# KiCad board main.kicad_pcb (continued)
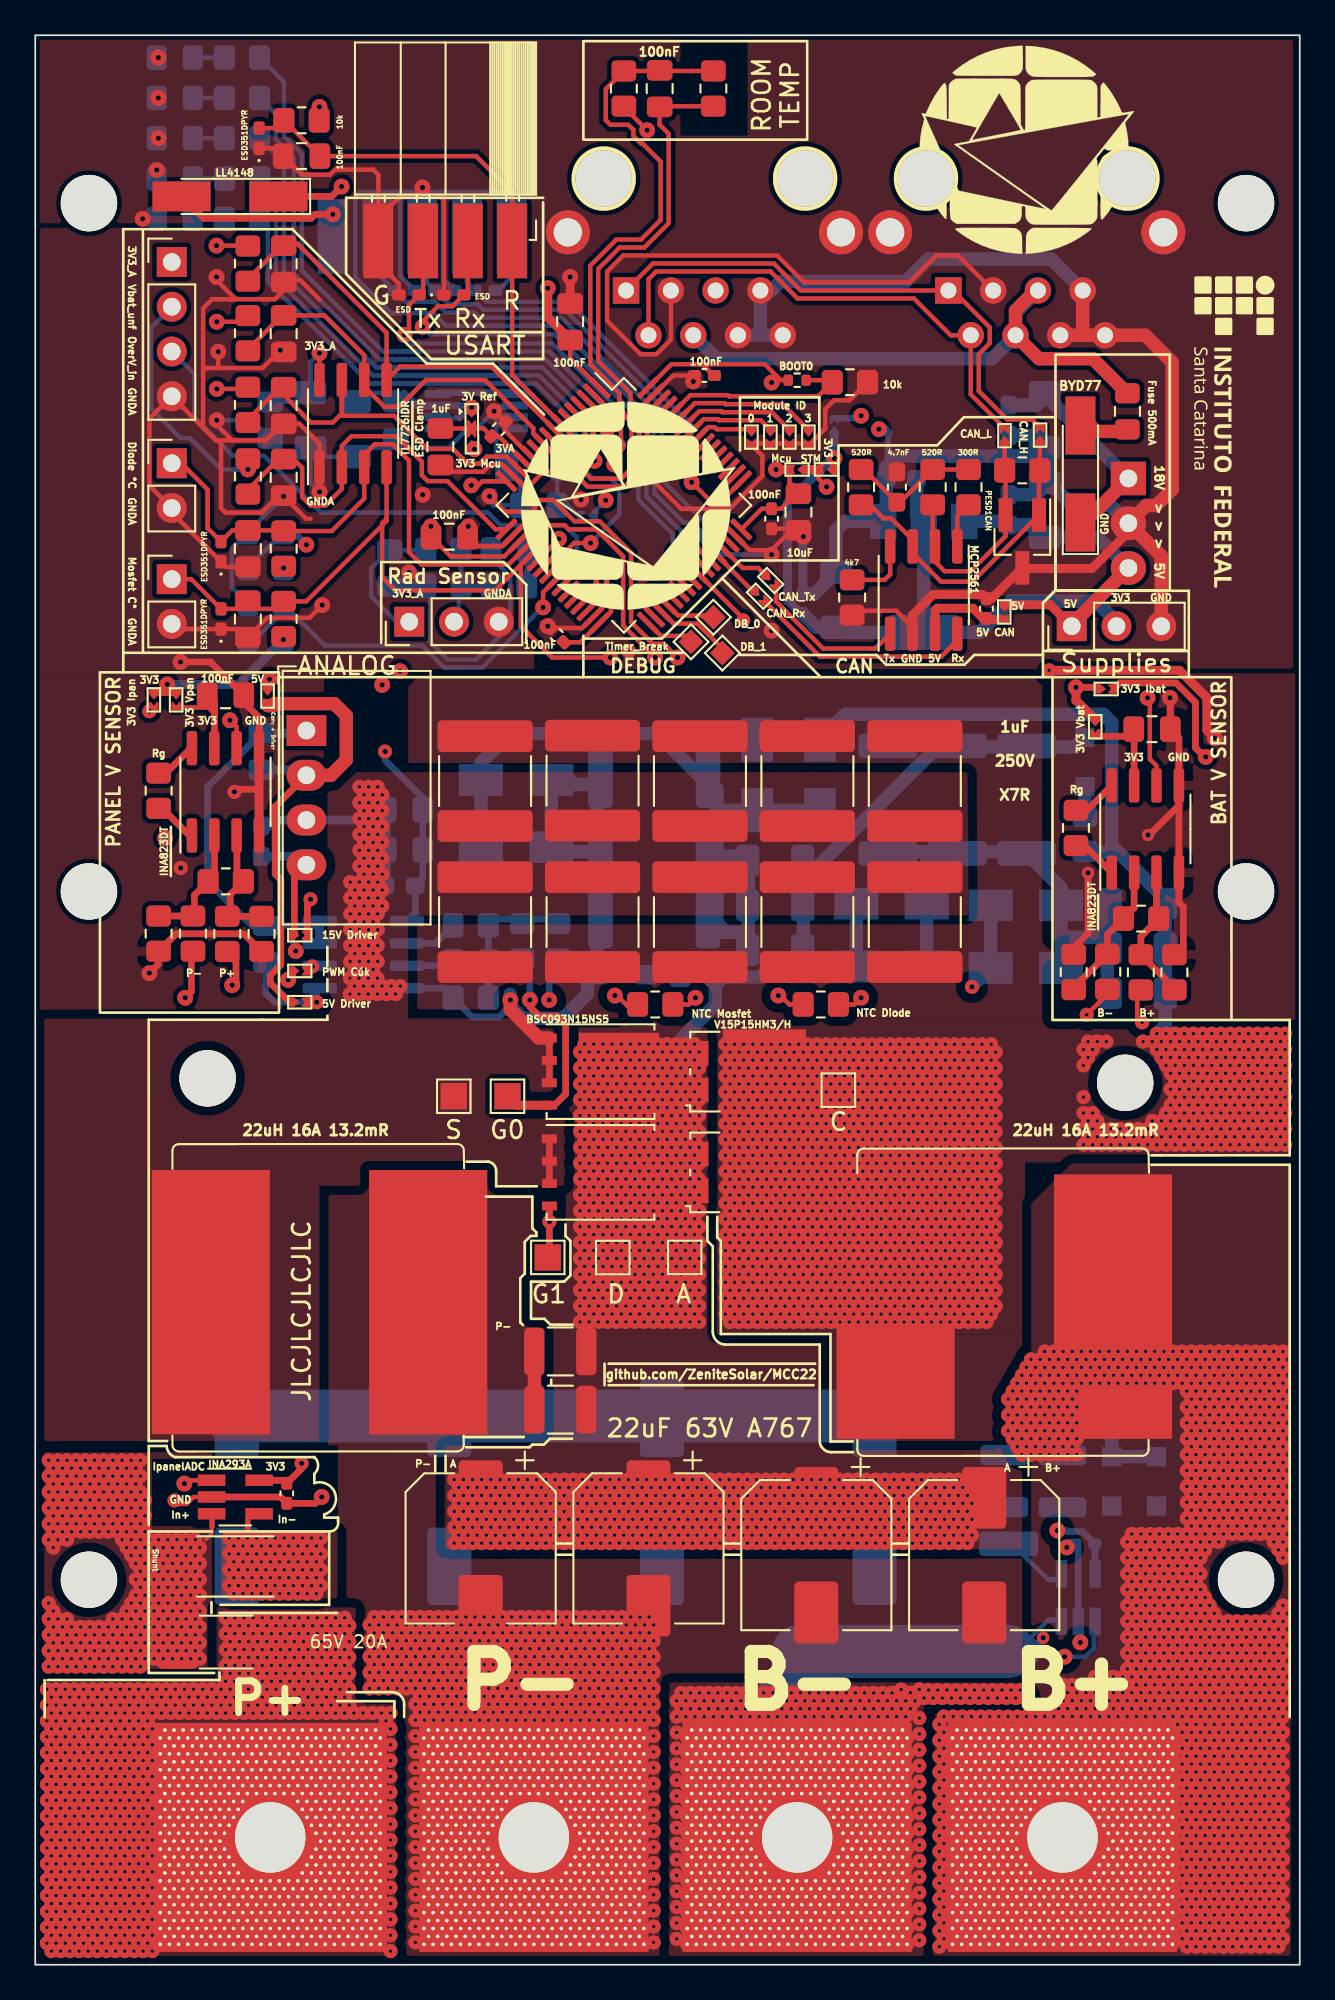
[diagram p0: board, top side]
## Routing (per net, layer and track width the routed paths; a pad name or vN(x,y) marks a point on that pad's centre or on a via; arc(x,y) is an arc through that point) (continued)
/Cuk/driver/OUT_G: length 8.3
  Bottom w0.381: 29.41,59.33 25.71,59.33 25.71,56.81 ; R401.2 R502.2
/Cuk/G0: length 12
  Top w0.381: v1(28.07,54.74) 28.07,54.36 28.6,53.82 29.62,53.82 30.1,53.34 30.1,49.4 29.46,48.77 Q401.1
  Top w0.508: 27.3,48.77 Q401.1
  Bottom w0.381: 28.07,55.06 28.07,56.63 R405.2
/Cuk/G1: length 17.9
  Top w0.381: 29.18,40.23 v3(29.18,42.16) Q402.1
  In1.Cu w0.381: v3(29.18,42.16) 29.17,42.17 v1(29.17,54.74)
  Bottom w0.381: 29.66,57.08 29.66,56.21 29.17,55.71 v1(29.17,54.74)
/Cuk/PWM_IN: length 0.7
  Top w0.254: 15.47,56.39 15.47,56.39
  Top w0.381: JP106.2 15.7,56.64 v3(15.72,56.64) 15.47,56.39
/Cuk/S: length 99.2
  Top w0.381: Q402.3 Q402.3 ; Q401.3 Q401.3
  Top w0.762: Q401.3 28.58,52.58 26.96,54.19 v1(26.96,54.74)
  In1.Cu w0.762: v1(26.96,54.74) 26.96,56.04 27.3,56.39 52.25,56.39 v3(53.15,55.48)
  Bottom w0.381: U501.8 23.17,55.41 24.8,53.77 26.32,53.77 26.95,54.4 26.95,55.06 ; 19.92,61.45 C504.1
  Bottom w0.508: 19.92,61.29 C504.1 19.33,64.95 PS501.3 13.82,64.95 13.49,64.62 C501.1 ; C506.1 19.84,60.86 18.92,59.94 18.92,56.13 19.65,55.41 U501.8
  Bottom w0.762: 32.07,63.16 29.54,63.16 ; D405.2 31.88,66.77 ; 32.07,66.97 30.56,66.97 30.3,67.22 D402.1 D401.1 ; D411.2 D410.2 53.15,55.49 v3(53.15,55.48) ; 31.34,55.79 31.34,55.09 29.96,53.71 27.64,53.71 26.95,54.39 26.95,55.06
  vias: v2(17.87,61.43) v2(17.87,60.53) v2(17.87,59.62) v2(17.87,58.72) v2(17.87,57.82) v2(17.87,56.92) v2(17.85,55.97) v2(17.85,55.07) v2(18.11,55.52) v2(18.13,60.98) v2(18.13,60.07) v2(18.13,59.17) v2(18.13,58.27) v2(18.13,57.37) v2(18.13,56.47) v2(18.39,66.83) v2(18.39,65.93) v2(18.39,65.03) v2(18.39,64.13) v2(18.39,63.23) v2(18.39,62.33) v2(18.39,61.43) v2(18.39,60.53) v2(18.39,59.62) v2(18.39,58.72) v2(18.39,57.82) v2(18.39,56.92) v2(18.37,55.97) v2(18.37,55.07) v2(18.65,66.38) v2(18.65,65.48) v2(18.65,64.58) v2(18.65,63.68) v2(18.65,62.78) v2(18.65,61.88) v2(18.65,60.98) v2(18.65,60.07) v2(18.65,59.17) v2(18.65,58.27) v2(18.65,57.37) v2(18.65,56.47) v2(18.63,55.52) v2(18.91,66.83) v2(18.91,65.93) v2(18.91,65.03) v2(18.91,64.13) v2(18.91,63.23) v2(18.91,62.33) v2(18.91,61.43) v2(18.91,60.53) v2(18.91,59.62) v2(18.91,58.72) v2(18.91,57.82) v2(18.91,56.92) v2(18.89,55.97) v2(18.89,55.07) v2(19.17,66.38) v2(19.17,65.48) v2(19.17,64.58) v2(19.17,63.68) v2(19.17,62.78) v2(19.17,61.88) v2(19.17,60.98) v2(19.17,60.07) v2(19.17,59.17) v2(19.17,58.27) v2(19.17,57.37) v2(19.17,56.47) v2(19.15,55.52) v2(19.41,55.97) v2(19.41,55.07) v2(19.43,66.83) v2(19.43,65.93) v2(19.43,65.03) v2(19.43,64.13) v2(19.43,63.23) v2(19.43,62.33) v2(19.43,61.43) v2(19.43,60.53) v2(19.43,59.62) v2(19.43,58.72) v2(19.43,57.82) v2(19.43,56.92) v2(19.69,66.38) v2(19.69,65.48) v2(19.69,64.58) v2(19.69,63.68) v2(19.69,62.78) v2(19.69,61.88) v2(19.69,60.98) v2(19.69,60.07) v2(19.67,55.52) v2(19.93,55.07) v2(20.19,55.52) v2(20.45,55.07) v2(20.71,55.52)
/P+: length 37.8
  Top w0.2: NT101.2 10.03,24.48 9.67,24.12
  Top w0.381: v1(11.18,55.58) 11.39,55.79 11.39,57.12
  In1.Cu w0.381: 9.67,24.12 9.8,24.12 10.68,25 12.05,25 13.74,26.7 13.74,29.02 13.95,29.23 13.95,51.84 11.18,54.62 v1(11.18,55.58)
  vias: v2(0.76,28.62) v2(0.76,27.72) v2(0.76,26.82) v2(0.76,25.92) v2(0.76,25.02) v2(0.76,24.12) v2(0.76,20.52) v2(0.76,19.62) v2(0.76,18.72) v2(0.76,17.81) v2(0.76,16.91) v2(1.02,28.17) v2(1.02,27.27) v2(1.02,26.37) v2(1.02,25.47) v2(1.02,24.57) v2(1.02,23.67) v2(1.02,20.07) v2(1.02,19.17) v2(1.02,18.26) v2(1.02,17.36) v2(1.28,28.62) v2(1.28,27.72) v2(1.28,26.82) v2(1.28,25.92) v2(1.28,25.02) v2(1.28,24.12) v2(1.28,19.62) v2(1.28,18.72) v2(1.28,17.81) v2(1.28,16.91) v2(1.54,28.17) v2(1.54,27.27) v2(1.54,26.37) v2(1.54,25.47) v2(1.54,24.57) v2(1.54,19.17) v2(1.54,18.26) v2(1.54,17.36) v2(1.8,28.62) v2(1.8,27.72) v2(1.8,26.82) v2(1.8,25.92) v2(1.8,25.02) v2(1.8,24.12) v2(1.8,19.62) v2(1.8,18.72) v2(1.8,17.81) v2(1.8,16.91) v2(2.06,28.17) v2(2.06,27.27) v2(2.06,26.37) v2(2.06,25.47) v2(2.06,24.57) v2(2.06,19.17) v2(2.06,18.26) v2(2.06,17.36) v2(2.32,28.62) v2(2.32,27.72) v2(2.32,26.82) v2(2.32,25.92) v2(2.32,25.02) v2(2.32,18.72) v2(2.32,17.81) v2(2.32,16.91) v2(2.58,28.17) v2(2.58,27.27) v2(2.58,26.37) v2(2.58,25.47) v2(2.58,24.57) v2(2.58,19.17) v2(2.58,18.26) v2(2.58,17.36) v2(2.84,28.62) v2(2.84,27.72) v2(2.84,26.82) v2(2.84,25.92) v2(2.84,25.02) v2(2.84,18.72) v2(2.84,17.81) v2(2.84,16.91) v2(3.1,28.17) v2(3.1,27.27) v2(3.1,26.37) v2(3.1,25.47) v2(3.1,24.57) v2(3.1,19.17) v2(3.1,18.26) v2(3.1,17.36) v2(3.36,28.62) v2(3.36,27.72) v2(3.36,26.82) v2(3.36,25.92) v2(3.36,25.02) v2(3.36,18.72) v2(3.36,17.81) v2(3.36,16.91) v2(3.62,28.17) v2(3.62,27.27) v2(3.62,26.37) v2(3.62,25.47) v2(3.62,24.57) v2(3.62,19.17) v2(3.62,18.26) v2(3.62,17.36) v2(3.88,28.62) v2(3.88,27.72) v2(3.88,26.82) v2(3.88,25.92) v2(3.88,25.02) v2(3.88,18.72) v2(3.88,17.81) v2(3.88,16.91) v2(4.14,28.17) v2(4.14,27.27) v2(4.14,26.37) v2(4.14,25.47) v2(4.14,24.57) v2(4.14,19.17) v2(4.14,18.26) v2(4.14,17.36) v2(4.4,28.62) v2(4.4,27.72) v2(4.4,26.82) v2(4.4,25.92) v2(4.4,25.02) v2(4.4,19.62) v2(4.4,18.72) v2(4.4,17.81) v2(4.4,16.91) v2(4.66,28.17) v2(4.66,27.27) v2(4.66,26.37) v2(4.66,25.47) v2(4.66,24.57) v2(4.66,19.17) v2(4.66,18.26) v2(4.66,17.36) v2(4.92,28.62) v2(4.92,27.72) v2(4.92,26.82) v2(4.92,25.92) v2(4.92,25.02) v2(4.92,24.12) v2(4.92,19.62) v2(4.92,18.72) v2(4.92,17.81) v2(4.92,16.91) v2(5.18,28.17) v2(5.18,27.27) v2(5.18,26.37) v2(5.18,25.47) v2(5.18,24.57) v2(5.18,23.67) v2(5.18,20.07) v2(5.18,19.17) v2(5.18,18.26) v2(5.18,17.36) v2(5.44,28.62) v2(5.44,27.72) v2(5.44,26.82) v2(5.44,25.92) v2(5.44,25.02) v2(5.44,24.12) v2(5.44,23.22) v2(5.44,20.52) v2(5.44,19.62) v2(5.44,18.72) v2(5.44,17.81) v2(5.44,16.91) v2(5.7,28.17) v2(5.7,27.27) v2(5.7,26.37) v2(5.7,25.47) v2(5.7,24.57) v2(5.7,23.67) v2(5.7,22.77) v2(5.7,21.87) v2(5.7,20.97) v2(5.7,20.07) v2(5.7,19.17) v2(5.7,18.26) v2(5.7,17.36) v2(5.96,28.62) v2(5.96,27.72) v2(5.96,26.82) v2(5.96,25.92) v2(5.96,25.02) v2(5.96,24.12) v2(5.96,23.22) v2(5.96,22.32) v2(5.96,21.42) v2(5.96,20.52) v2(5.96,19.62) v2(5.96,18.72) v2(5.96,17.81) v2(5.96,16.91) v2(6.22,26.37) v2(6.22,25.47) v2(6.22,24.57) v2(6.22,23.67) v2(6.22,22.77) v2(6.22,21.87) v2(6.22,20.97) v2(6.22,20.07) v2(6.22,19.17) v2(6.22,18.26) v2(6.22,17.36) v2(6.48,24.12) v2(6.48,23.22) v2(6.48,22.32) v2(6.48,21.42) v2(6.48,20.52) v2(6.48,19.62) v2(6.48,18.72) v2(6.48,17.81) v2(6.74,23.67) v2(6.74,22.77) v2(6.74,21.87) v2(6.74,20.97) v2(6.74,20.07) v2(6.74,19.17) v2(6.74,18.26) v2(6.74,17.36) v2(7,24.12) v2(7,23.22) v2(7,22.32) v2(7,21.42) v2(7,20.52) v2(7,19.62) v2(7,18.72) v2(7,17.81) v2(7.26,23.67) v2(7.26,22.77) v2(7.26,21.87) v2(7.26,20.97) v2(7.26,20.07) v2(7.26,19.17) v2(7.26,18.26) v2(7.26,17.36) v2(7.52,24.12) v2(7.52,23.22) v2(7.52,22.32) v2(7.52,21.42) v2(7.52,20.52) v2(7.52,19.62) v2(7.52,18.72) v2(7.52,17.81) v2(7.78,23.67) v2(7.78,22.77) v2(7.78,21.87) v2(7.78,20.97) v2(7.78,20.07) v2(7.78,19.17) v2(7.78,18.26) v2(7.78,17.36) v2(8.04,24.12) v2(8.04,23.22) v2(8.04,22.32) v2(8.04,21.42) v2(8.04,20.52) v2(8.04,19.62) v2(8.04,18.72) v2(8.04,17.81) v2(8.3,23.67) v2(8.3,22.77) v2(8.3,21.87) v2(8.3,20.97) v2(8.3,20.07) v2(8.3,19.17) v2(8.3,18.26) v2(8.3,17.36) v2(8.56,24.12) v2(8.56,23.22) v2(8.56,22.32) v2(8.56,21.42) v2(8.56,20.52) v2(8.56,19.62) v2(8.56,18.72) v2(8.56,17.81) v2(8.82,23.67) v2(8.82,22.77) v2(8.82,21.87) v2(8.82,20.97) v2(8.82,20.07) v2(8.82,19.17) v2(8.82,18.26) v2(8.82,17.36) v2(9.08,24.12) v2(9.08,23.22) v2(9.08,22.32) v2(9.08,21.42) v2(9.08,20.52) v2(9.08,19.62) v2(9.08,18.72) v2(9.08,17.81) v2(9.34,23.67) v2(9.34,22.77) v2(9.34,21.87) v2(9.34,20.97) v2(9.34,20.07) v2(9.34,19.17) v2(9.34,18.26) v2(9.34,17.36)
/P+Unfused:
  vias: v2(0.66,15.63) v2(0.66,14.73) v2(0.66,13.83) v2(0.66,12.93) v2(0.66,12.03) v2(0.66,11.13) v2(0.66,10.23) v2(0.66,9.33) v2(0.66,8.43) v2(0.66,7.53) v2(0.66,6.63) v2(0.66,5.73) v2(0.66,4.83) v2(0.66,3.93) v2(0.66,3.02) v2(0.66,2.12) v2(0.66,1.22) v2(0.92,15.18) v2(0.92,14.28) v2(0.92,13.38) v2(0.92,12.48) v2(0.92,11.58) v2(0.92,10.68) v2(0.92,9.78) v2(0.92,8.88) v2(0.92,7.98) v2(0.92,7.08) v2(0.92,6.18) v2(0.92,5.28) v2(0.92,4.38) v2(0.92,3.48) v2(0.92,2.57) v2(0.92,1.67) v2(0.92,0.77) v2(1.18,15.63) v2(1.18,14.73) v2(1.18,13.83) v2(1.18,12.93) v2(1.18,12.03) v2(1.18,11.13) v2(1.18,10.23) v2(1.18,9.33) v2(1.18,8.43) v2(1.18,7.53) v2(1.18,6.63) v2(1.18,5.73) v2(1.18,4.83) v2(1.18,3.93) v2(1.18,3.02) v2(1.18,2.12) v2(1.18,1.22) v2(1.44,15.18) v2(1.44,14.28) v2(1.44,13.38) v2(1.44,12.48) v2(1.44,11.58) v2(1.44,10.68) v2(1.44,9.78) v2(1.44,8.88) v2(1.44,7.98) v2(1.44,7.08) v2(1.44,6.18) v2(1.44,5.28) v2(1.44,4.38) v2(1.44,3.48) v2(1.44,2.57) v2(1.44,1.67) v2(1.44,0.77) v2(1.7,15.63) v2(1.7,14.73) v2(1.7,13.83) v2(1.7,12.93) v2(1.7,12.03) v2(1.7,11.13) v2(1.7,10.23) v2(1.7,9.33) v2(1.7,8.43) v2(1.7,7.53) v2(1.7,6.63) v2(1.7,5.73) v2(1.7,4.83) v2(1.7,3.93) v2(1.7,3.02) v2(1.7,2.12) v2(1.7,1.22) v2(1.96,15.18) v2(1.96,14.28) v2(1.96,13.38) v2(1.96,12.48) v2(1.96,11.58) v2(1.96,10.68) v2(1.96,9.78) v2(1.96,8.88) v2(1.96,7.98) v2(1.96,7.08) v2(1.96,6.18) v2(1.96,5.28) v2(1.96,4.38) v2(1.96,3.48) v2(1.96,2.57) v2(1.96,1.67) v2(1.96,0.77) v2(2.22,15.63) v2(2.22,14.73) v2(2.22,13.83) v2(2.22,12.93) v2(2.22,12.03) v2(2.22,11.13) v2(2.22,10.23) v2(2.22,9.33) v2(2.22,8.43) v2(2.22,7.53) v2(2.22,6.63) v2(2.22,5.73) v2(2.22,4.83) v2(2.22,3.93) v2(2.22,3.02) v2(2.22,2.12) v2(2.22,1.22) v2(2.48,15.18) v2(2.48,14.28) v2(2.48,13.38) v2(2.48,12.48) v2(2.48,11.58) v2(2.48,10.68) v2(2.48,9.78) v2(2.48,8.88) v2(2.48,7.98) v2(2.48,7.08) v2(2.48,6.18) v2(2.48,5.28) v2(2.48,4.38) v2(2.48,3.48) v2(2.48,2.57) v2(2.48,1.67) v2(2.48,0.77) v2(2.74,15.63) v2(2.74,14.73) v2(2.74,13.83) v2(2.74,12.93) v2(2.74,12.03) v2(2.74,11.13) v2(2.74,10.23) v2(2.74,9.33) v2(2.74,8.43) v2(2.74,7.53) v2(2.74,6.63) v2(2.74,5.73) v2(2.74,4.83) v2(2.74,3.93) v2(2.74,3.02) v2(2.74,2.12) v2(2.74,1.22) v2(3,15.18) v2(3,14.28) v2(3,13.38) v2(3,12.48) v2(3,11.58) v2(3,10.68) v2(3,9.78) v2(3,8.88) v2(3,7.98) v2(3,7.08) v2(3,6.18) v2(3,5.28) v2(3,4.38) v2(3,3.48) v2(3,2.57) v2(3,1.67) v2(3,0.77) v2(3.26,15.63) v2(3.26,14.73) v2(3.26,13.83) v2(3.26,12.93) v2(3.26,12.03) v2(3.26,11.13) v2(3.26,10.23) v2(3.26,9.33) v2(3.26,8.43) v2(3.26,7.53) v2(3.26,6.63) v2(3.26,5.73) v2(3.26,4.83) v2(3.26,3.93) v2(3.26,3.02) v2(3.26,2.12) v2(3.26,1.22) v2(3.52,15.18) v2(3.52,14.28) v2(3.52,13.38) v2(3.52,12.48) v2(3.52,11.58) v2(3.52,10.68) v2(3.52,9.78) v2(3.52,8.88) v2(3.52,7.98) v2(3.52,7.08) v2(3.52,6.18) v2(3.52,5.28) v2(3.52,4.38) v2(3.52,3.48) v2(3.52,2.57) v2(3.52,1.67) v2(3.52,0.77) v2(3.78,15.63) v2(3.78,14.73) v2(3.78,13.83) v2(3.78,12.93) v2(3.78,12.03) v2(3.78,11.13) v2(3.78,10.23) v2(3.78,9.33) v2(3.78,8.43) v2(3.78,7.53) v2(3.78,6.63) v2(3.78,5.73) v2(3.78,4.83) v2(3.78,3.93) v2(3.78,3.02) v2(3.78,2.12) v2(3.78,1.22) v2(4.04,15.18) v2(4.04,14.28) v2(4.04,13.38) v2(4.04,12.48) v2(4.04,11.58) v2(4.04,10.68) v2(4.04,9.78) v2(4.04,8.88) v2(4.04,7.98) v2(4.04,7.08) v2(4.04,6.18) v2(4.04,5.28) v2(4.04,4.38) v2(4.04,3.48) v2(4.04,2.57) v2(4.04,1.67) v2(4.04,0.77) v2(4.3,15.63) v2(4.3,14.73) v2(4.3,13.83) v2(4.3,12.93) v2(4.3,12.03) v2(4.3,11.13) v2(4.3,10.23) v2(4.3,9.33) v2(4.3,8.43) v2(4.3,7.53) v2(4.3,6.63) v2(4.3,5.73) v2(4.3,4.83) v2(4.3,3.93) v2(4.3,3.02) v2(4.3,2.12) v2(4.3,1.22) v2(4.56,15.18) v2(4.56,14.28) v2(4.56,13.38) v2(4.56,12.48) v2(4.56,11.58) v2(4.56,10.68) v2(4.56,9.78) v2(4.56,8.88) v2(4.56,7.98) v2(4.56,7.08) v2(4.56,6.18) v2(4.56,5.28) v2(4.56,4.38) v2(4.56,3.48) v2(4.56,2.57) v2(4.56,1.67) v2(4.56,0.77) v2(4.82,15.63) v2(4.82,14.73) v2(4.82,13.83) v2(4.82,12.93) v2(4.82,12.03) v2(4.82,11.13) v2(4.82,10.23) v2(4.82,9.33) v2(4.82,8.43) v2(4.82,7.53) v2(4.82,6.63) v2(4.82,5.73) v2(4.82,4.83) v2(4.82,3.93) v2(4.82,3.02) v2(4.82,2.12) v2(4.82,1.22) v2(5.08,15.18) v2(5.08,14.28) v2(5.08,13.38) v2(5.08,12.48) v2(5.08,11.58) v2(5.08,10.68) v2(5.08,9.78) v2(5.08,8.88) v2(5.08,7.98) v2(5.08,7.08) v2(5.08,6.18) v2(5.08,5.28) v2(5.08,4.38) v2(5.08,3.48) v2(5.08,2.57) v2(5.08,1.67) v2(5.08,0.77) v2(5.34,15.63) v2(5.34,14.73) v2(5.34,13.83) v2(5.34,12.93) v2(5.34,12.03) v2(5.34,11.13) v2(5.34,10.23) v2(5.34,9.33) v2(5.34,8.43) v2(5.34,7.53) v2(5.34,6.63) v2(5.34,5.73) v2(5.34,4.83) v2(5.34,3.93) v2(5.34,3.02) v2(5.34,2.12) v2(5.34,1.22) v2(5.6,15.18) v2(5.6,14.28) v2(5.6,13.38) v2(5.6,12.48) v2(5.6,11.58) v2(5.6,10.68) v2(5.6,9.78) v2(5.6,8.88) v2(5.6,7.98) v2(5.6,7.08) v2(5.6,6.18) v2(5.6,5.28) v2(5.6,4.38) v2(5.6,3.48) v2(5.6,2.57) v2(5.6,1.67) v2(5.6,0.77) v2(5.86,15.63) v2(5.86,14.73) v2(5.86,13.83) v2(5.86,12.93) v2(5.86,12.03) v2(5.86,11.13) v2(5.86,10.23) v2(5.86,9.33) v2(5.86,8.43) v2(5.86,7.53) v2(5.86,6.63) v2(5.86,5.73) v2(5.86,4.83) v2(5.86,3.93) v2(5.86,3.02) v2(5.86,2.12) v2(5.86,1.22) v2(6.12,15.18) v2(6.12,14.28) v2(6.12,13.38) v2(6.12,12.48) v2(6.12,11.58) v2(6.12,10.68) v2(6.12,9.78) v2(6.12,8.88) v2(6.12,7.98) v2(6.12,7.08) v2(6.12,6.18) v2(6.12,5.28) v2(6.12,4.38) v2(6.12,3.48) v2(6.12,2.57) v2(6.12,1.67) v2(6.12,0.77) v2(6.38,15.63) v2(6.38,14.73) v2(6.38,13.83) v2(6.38,12.93) v2(6.38,12.03) v2(6.38,11.13) v2(6.38,10.23) v2(6.38,9.33) v2(6.38,8.43) v2(6.38,7.53) v2(6.38,6.63) v2(6.38,5.73) v2(6.38,4.83) v2(6.38,3.93) v2(6.38,3.02) v2(6.38,2.12) v2(6.38,1.22) v2(6.64,15.18) v2(6.64,14.28) v2(6.64,13.38) v2(6.64,12.48) v2(6.64,11.58) v2(6.64,10.68) v2(6.64,9.78) v2(6.64,8.88) v2(6.64,7.98) v2(6.64,7.08) v2(6.64,6.18) v2(6.64,5.28) v2(6.64,4.38) v2(6.64,3.48) v2(6.64,2.57) v2(6.64,1.67) v2(6.64,0.77) v2(6.9,15.63) v2(6.9,14.73) v2(7.16,15.18) v2(7.16,14.28) v2(7.42,15.63) v2(7.42,14.73) v2(7.68,15.18) v2(7.68,14.28) v2(7.94,15.63) v2(7.94,14.73) v2(8.2,15.18) v2(8.2,14.28) v2(8.46,15.63) v2(8.46,14.73) v2(8.72,15.18) v2(8.72,14.28) v2(8.98,15.63) v2(8.98,14.73) v2(9.24,15.18) v2(9.24,14.28) v2(9.5,15.63) v2(9.5,14.73) v2(9.76,15.18) v2(9.76,14.28) v2(10.02,15.63) v2(10.02,14.73) v2(10.28,15.18) v2(10.28,14.28) v2(10.54,15.63) v2(10.54,14.73) v2(10.8,19.69) v2(10.8,18.79) v2(10.8,17.88) v2(10.8,16.98) v2(10.8,16.08) v2(10.8,15.18) v2(10.8,14.28) v2(11.06,19.24) v2(11.06,18.34) v2(11.06,17.43) v2(11.06,16.53) v2(11.06,15.63) v2(11.06,14.73) v2(11.32,19.69) v2(11.32,18.79) v2(11.32,17.88) v2(11.32,16.98) v2(11.32,16.08) v2(11.32,15.18) v2(11.32,14.28) v2(11.58,19.24) v2(11.58,18.34) v2(11.58,17.43) v2(11.58,16.53) v2(11.58,15.63) v2(11.58,14.73) v2(11.84,19.69) v2(11.84,18.79) v2(11.84,17.88) v2(11.84,16.98) v2(11.84,16.08) v2(11.84,15.18) v2(11.84,14.28) v2(12.1,19.24) v2(12.1,18.34) v2(12.1,17.43) v2(12.1,16.53) v2(12.1,15.63) v2(12.1,14.73) v2(12.36,19.69) v2(12.36,18.79) v2(12.36,17.88) v2(12.36,16.98) v2(12.36,16.08) v2(12.36,15.18) v2(12.36,14.28) v2(12.62,19.24) v2(12.62,18.34) v2(12.62,17.43) v2(12.62,16.53) v2(12.62,15.63) v2(12.62,14.73) v2(12.88,19.69) v2(12.88,18.79) v2(12.88,17.88) v2(12.88,16.98) v2(12.88,16.08) v2(12.88,15.18) v2(12.88,14.28) v2(13.14,19.24) v2(13.14,18.34) v2(13.14,17.43) v2(13.14,16.53) v2(13.14,15.63) v2(13.14,14.73) v2(13.4,19.69) v2(13.4,18.79) v2(13.4,17.88) v2(13.4,16.98) v2(13.4,16.08) v2(13.4,15.18) v2(13.4,14.28) v2(13.66,19.24) v2(13.66,18.34) v2(13.66,17.43) v2(13.66,16.53) v2(13.66,15.63) v2(13.66,14.73) v2(13.92,19.69) v2(13.92,18.79) v2(13.92,17.88) v2(13.92,16.98) v2(13.92,16.08) v2(13.92,15.18) v2(13.92,14.28) v2(14.18,19.24) v2(14.18,18.34) v2(14.18,17.43) v2(14.18,16.53) v2(14.18,15.63) v2(14.18,14.73) v2(14.44,19.69) v2(14.44,18.79) v2(14.44,17.88) v2(14.44,16.98) v2(14.44,16.08) v2(14.44,15.18) v2(14.44,14.28) v2(14.7,19.24) v2(14.7,18.34) v2(14.7,17.43) v2(14.7,16.53) v2(14.7,15.63) v2(14.7,14.73) v2(14.96,19.69) v2(14.96,18.79) v2(14.96,17.88) v2(14.96,16.98) v2(14.96,16.08) v2(14.96,15.18) v2(14.96,14.28) v2(15.22,19.24) v2(15.22,18.34) v2(15.22,17.43) v2(15.22,16.53) v2(15.22,15.63) v2(15.22,14.73) v2(15.48,19.69) v2(15.48,18.79) v2(15.48,17.88) v2(15.48,16.98) v2(15.48,16.08) v2(15.48,15.18) v2(15.48,14.28) v2(15.74,19.24) v2(15.74,18.34) v2(15.74,17.43) v2(15.74,16.53) v2(15.74,15.63) v2(15.74,14.73) v2(16,19.69) v2(16,18.79) v2(16,17.88) v2(16,16.98) v2(16,16.08) v2(16,15.18) v2(16,14.28) v2(16.26,19.24) v2(16.26,18.34) v2(16.26,17.43) v2(16.26,16.53) v2(16.26,15.63) v2(16.26,14.73) v2(16.52,19.69) v2(16.52,18.79) v2(16.52,17.88) v2(16.52,16.98) v2(16.52,16.08) v2(16.52,15.18) v2(16.52,14.28) v2(16.78,19.24) v2(16.78,18.34) v2(16.78,17.43) v2(16.78,16.53) v2(16.78,15.63) v2(16.78,14.73) v2(17.04,19.69) v2(17.04,18.79) v2(17.04,17.88) v2(17.04,16.98) v2(17.04,16.08) v2(17.04,15.18) v2(17.04,14.28) v2(17.3,19.24) v2(17.3,18.34) v2(17.3,17.43) v2(17.3,16.53) v2(17.3,15.63) v2(17.3,14.73) v2(17.56,19.69) v2(17.56,18.79) v2(17.56,17.88) v2(17.56,16.98) v2(17.56,16.08) v2(17.56,15.18) v2(17.56,14.28) v2(17.82,19.24) v2(17.82,18.34) v2(17.82,17.43) v2(17.82,16.53) v2(17.82,15.63) v2(17.82,14.73) v2(18.08,14.28) v2(18.6,14.28) v2(19.12,14.28) v2(19.64,14.28) v2(19.9,13.83) v2(20.16,14.28) v2(20.16,13.38) v2(20.16,12.48) v2(20.16,11.58) v2(20.16,10.68) v2(20.16,9.78) v2(20.16,8.88) v2(20.16,7.98) v2(20.16,7.08) v2(20.16,6.18) v2(20.16,5.28) v2(20.16,4.38) v2(20.16,3.48) v2(20.16,2.57) v2(20.16,1.67) v2(20.16,0.77)
/P-: length 52
  Top w0.381: v1(8.51,54.86) 8.86,55.22 8.86,57.33
  Top w0.762: 28.32,34.42 28.32,31.12
  In1.Cu w0.381: v1(8.51,54.86) 10.06,56.42 11.66,56.42 12.18,55.89 12.18,54.43 14.53,52.08 14.53,28.98 14.32,28.78 14.32,26.7 16.02,25 17.04,25 22.23,19.81 22.23,19.25
  vias: v2(18.97,19.28) v2(18.97,18.38) v2(18.97,17.48) v2(18.97,16.58) v2(18.97,15.68) v2(19.23,19.73) v2(19.23,18.83) v2(19.23,17.93) v2(19.23,17.03) v2(19.23,16.13) v2(19.49,19.28) v2(19.49,18.38) v2(19.49,17.48) v2(19.49,16.58) v2(19.49,15.68) v2(19.75,19.73) v2(19.75,18.83) v2(19.75,17.93) v2(19.75,17.03) v2(19.75,16.13) v2(20.01,19.28) v2(20.01,18.38) v2(20.01,17.48) v2(20.01,16.58) v2(20.01,15.68) v2(20.27,19.73) v2(20.27,18.83) v2(20.27,17.93) v2(20.27,17.03) v2(20.27,16.13) v2(20.53,19.28) v2(20.53,18.38) v2(20.53,17.48) v2(20.53,16.58) v2(20.53,15.68) v2(20.79,19.73) v2(20.79,18.83) v2(20.79,17.93) v2(20.79,17.03) v2(20.79,16.13) v2(21.05,19.28) v2(21.05,18.38) v2(21.05,17.48) v2(21.05,16.58) v2(21.05,15.68) v2(21.31,19.73) v2(21.31,18.83) v2(21.31,17.93) v2(21.31,17.03) v2(21.31,16.13) v2(21.57,19.28) v2(21.57,18.38) v2(21.57,17.48) v2(21.57,16.58) v2(21.57,15.68) v2(21.57,14.78) v2(21.57,13.88) v2(21.57,12.98) v2(21.57,12.08) v2(21.57,11.18) v2(21.57,10.28) v2(21.57,9.37) v2(21.57,8.47) v2(21.57,7.57) v2(21.57,6.67) v2(21.57,5.77) v2(21.57,4.87) v2(21.57,3.97) v2(21.57,3.07) v2(21.57,2.17) v2(21.57,1.27) v2(21.83,19.73) v2(21.83,18.83) v2(21.83,17.93) v2(21.83,17.03) v2(21.83,16.13) v2(21.83,15.23) v2(21.83,14.33) v2(22.09,19.28) v2(22.09,18.38) v2(22.09,17.48) v2(22.09,16.58) v2(22.09,15.68) v2(22.09,14.78) v2(22.09,13.88) v2(22.35,19.73) v2(22.35,18.83) v2(22.35,17.93) v2(22.35,17.03) v2(22.35,16.13) v2(22.35,15.23) v2(22.35,14.33) v2(22.61,19.28) v2(22.61,18.38) v2(22.61,17.48) v2(22.61,16.58) v2(22.61,15.68) v2(22.61,14.78) v2(22.61,13.88) v2(22.87,19.73) v2(22.87,18.83) v2(22.87,17.93) v2(22.87,17.03) v2(22.87,16.13) v2(22.87,15.23) v2(22.87,14.33) v2(23.13,19.28) v2(23.13,18.38) v2(23.13,17.48) v2(23.13,16.58) v2(23.13,15.68) v2(23.13,14.78) v2(23.13,13.88) v2(23.39,19.73) v2(23.39,18.83) v2(23.39,17.93) v2(23.39,17.03) v2(23.39,16.13) v2(23.39,15.23) v2(23.39,14.33) v2(23.65,19.28) v2(23.65,18.38) v2(23.65,17.48) v2(23.65,16.58) v2(23.65,15.68) v2(23.65,14.78) v2(23.65,13.88) v2(23.91,19.73) v2(23.91,18.83) v2(23.91,17.93) v2(23.91,17.03) v2(23.91,16.13) v2(23.91,15.23) v2(23.91,14.33) v2(24.17,19.28) v2(24.17,18.38) v2(24.17,17.48) v2(24.17,16.58) v2(24.17,15.68) v2(24.17,14.78) v2(24.17,13.88) v2(24.43,19.73) v2(24.43,18.83) v2(24.43,17.93) v2(24.43,17.03) v2(24.43,16.13) v2(24.43,15.23) v2(24.43,14.33) v2(24.69,19.28) v2(24.69,18.38) v2(24.69,17.48) v2(24.69,16.58) v2(24.69,15.68) v2(24.69,14.78) v2(24.69,13.88) v2(24.95,19.73) v2(24.95,18.83) v2(24.95,17.93) v2(24.95,17.03) v2(24.95,16.13) v2(24.95,15.23) v2(24.95,14.33) v2(25.21,19.28) v2(25.21,18.38) v2(25.21,17.48) v2(25.21,16.58) v2(25.21,15.68) v2(25.21,14.78) v2(25.21,13.88) v2(25.47,19.73) v2(25.47,18.83) v2(25.47,17.93) v2(25.47,17.03) v2(25.47,16.13) v2(25.47,15.23) v2(25.47,14.33) v2(25.73,19.28) v2(25.73,18.38) v2(25.73,17.48) v2(25.73,16.58) v2(25.73,15.68) v2(25.73,14.78) v2(25.73,13.88) v2(25.99,19.73) v2(25.99,18.83) v2(25.99,17.93) v2(25.99,17.03) v2(25.99,16.13) v2(25.99,15.23) v2(25.99,14.33) v2(26.25,19.28) v2(26.25,18.38) v2(26.25,17.48) v2(26.25,16.58) v2(26.25,15.68) v2(26.25,14.78) v2(26.25,13.88) v2(26.51,19.73) v2(26.51,18.83) v2(26.51,17.93) v2(26.51,17.03) v2(26.51,16.13) v2(26.51,15.23) v2(26.51,14.33) v2(26.77,19.28) v2(26.77,18.38) v2(26.77,17.48) v2(26.77,16.58) v2(26.77,15.68) v2(26.77,14.78) v2(26.77,13.88) v2(27.03,19.73) v2(27.03,18.83) v2(27.03,17.93) v2(27.03,17.03) v2(27.03,16.13) v2(27.03,15.23) v2(27.03,14.33) v2(27.29,19.28) v2(27.29,18.38) v2(27.29,17.48) v2(27.29,16.58) v2(27.29,15.68) v2(27.29,14.78) v2(27.29,13.88) v2(27.55,19.73) v2(27.55,18.83) v2(27.55,17.93) v2(27.55,17.03) v2(27.55,16.13) v2(27.55,15.23) v2(27.55,14.33) v2(27.81,19.28) v2(27.81,18.38) v2(27.81,17.48) v2(27.81,16.58) v2(27.81,15.68) v2(27.81,14.78) v2(27.81,13.88) v2(28.07,19.73) v2(28.07,18.83) v2(28.07,17.93) v2(28.07,17.03) v2(28.07,16.13) v2(28.07,15.23) v2(28.07,14.33) v2(28.33,19.28) v2(28.33,18.38) v2(28.33,17.48) v2(28.33,16.58) v2(28.33,15.68) v2(28.33,14.78) v2(28.33,13.88) v2(28.59,19.73) v2(28.59,18.83) v2(28.59,17.93) v2(28.59,17.03) v2(28.59,16.13) v2(28.59,15.23) v2(28.59,14.33) v2(28.85,19.28) v2(28.85,18.38) v2(28.85,17.48) v2(28.85,16.58) v2(28.85,15.68) v2(28.85,14.78) v2(28.85,13.88) v2(29.11,19.73) v2(29.11,18.83) v2(29.11,17.93) v2(29.11,17.03) v2(29.11,16.13) v2(29.11,15.23) v2(29.11,14.33) v2(29.37,19.28) v2(29.37,18.38) v2(29.37,17.48) v2(29.37,16.58) v2(29.37,15.68) v2(29.37,14.78) v2(29.37,13.88) v2(29.63,19.73) v2(29.63,18.83) v2(29.63,17.93) v2(29.63,17.03) v2(29.63,16.13) v2(29.63,15.23) v2(29.63,14.33) v2(29.89,19.28) v2(29.89,18.38) v2(29.89,17.48) v2(29.89,16.58) v2(29.89,15.68) v2(29.89,14.78) v2(29.89,13.88) v2(30.15,19.73) v2(30.15,18.83) v2(30.15,17.93) v2(30.15,17.03) v2(30.15,16.13) v2(30.15,15.23) v2(30.15,14.33) v2(30.41,19.28) v2(30.41,18.38) v2(30.41,17.48) v2(30.41,16.58) v2(30.41,15.68) v2(30.41,14.78) v2(30.41,13.88) v2(30.67,19.73) v2(30.67,18.83) v2(30.67,17.93) v2(30.67,17.03) v2(30.67,16.13) v2(30.67,15.23) v2(30.67,14.33) v2(30.93,19.28) v2(30.93,18.38) v2(30.93,17.48) v2(30.93,16.58) v2(30.93,15.68) v2(30.93,14.78) v2(30.93,13.88) v2(31.19,19.73) v2(31.19,18.83) v2(31.19,17.93) v2(31.19,17.03) v2(31.19,16.13) v2(31.19,15.23) v2(31.19,14.33) v2(31.45,19.28) v2(31.45,18.38) v2(31.45,17.48) v2(31.45,16.58) v2(31.45,15.68) v2(31.45,14.78) v2(31.45,13.88) v2(31.71,19.73) v2(31.71,18.83) v2(31.71,17.93) v2(31.71,17.03) v2(31.71,16.13) v2(31.71,15.23) v2(31.71,14.33) v2(31.97,19.28) v2(31.97,18.38) v2(31.97,17.48) v2(31.97,16.58) v2(31.97,15.68) v2(31.97,14.78) v2(31.97,13.88) v2(32.23,19.73) v2(32.23,18.83) v2(32.23,17.93) v2(32.23,17.03) v2(32.23,16.13) v2(32.23,15.23) v2(32.23,14.33) v2(32.49,19.28) v2(32.49,18.38) v2(32.49,17.48) v2(32.49,16.58) v2(32.49,15.68) v2(32.49,14.78) v2(32.49,13.88) v2(32.75,19.73) v2(32.75,18.83) v2(32.75,17.93) v2(32.75,17.03) v2(32.75,16.13) v2(32.75,15.23) v2(32.75,14.33) v2(33.01,19.28) v2(33.01,18.38) v2(33.01,17.48) v2(33.01,16.58) v2(33.01,15.68) v2(33.01,14.78) v2(33.01,13.88) v2(33.27,19.73) v2(33.27,18.83) v2(33.27,17.93) v2(33.27,17.03) v2(33.27,16.13) v2(33.27,15.23) v2(33.27,14.33) v2(33.53,19.28) v2(33.53,18.38) v2(33.53,17.48) v2(33.53,16.58) v2(33.53,15.68) v2(33.53,14.78) v2(33.53,13.88) v2(33.79,19.73) v2(33.79,18.83) v2(33.79,17.93) v2(33.79,17.03) v2(33.79,16.13) v2(33.79,15.23) v2(33.79,14.33) v2(34.05,19.28) v2(34.05,18.38) v2(34.05,17.48) v2(34.05,16.58) v2(34.05,15.68) v2(34.05,14.78) v2(34.05,13.88) v2(34.31,19.73) v2(34.31,18.83) v2(34.31,17.93) v2(34.31,17.03) v2(34.31,16.13) v2(34.31,15.23) v2(34.31,14.33) v2(34.57,19.28) v2(34.57,18.38) v2(34.57,17.48) v2(34.57,16.58) v2(34.57,15.68) v2(34.57,14.78) v2(34.57,13.88) v2(34.83,19.73) v2(34.83,18.83) v2(34.83,17.93) v2(34.83,17.03) v2(34.83,16.13) v2(34.83,15.23) v2(34.83,14.33) v2(35.09,19.28) v2(35.09,18.38) v2(35.09,17.48) v2(35.09,16.58) v2(35.09,15.68) v2(35.09,14.78) v2(35.09,13.88) v2(35.09,12.98) v2(35.09,12.08) v2(35.09,11.18) v2(35.09,10.28) v2(35.09,9.37) v2(35.09,8.47) v2(35.09,7.57) v2(35.09,6.67) v2(35.09,5.77) v2(35.09,4.87) v2(35.09,3.97) v2(35.09,3.07) v2(35.09,2.17) v2(35.09,1.27)